# Altium PCB Calc_V1.PcbDoc (part 1 of 3)
Units mil, origin at the board's own origin, x right, y up, seen from the top; angles counter-clockwise.
Board outline 3937.01 x 3935.37 mil, 2 copper layers (Top Layer, Bottom Layer); 39 components, 45 nets, 1230 pads, 607 vias.
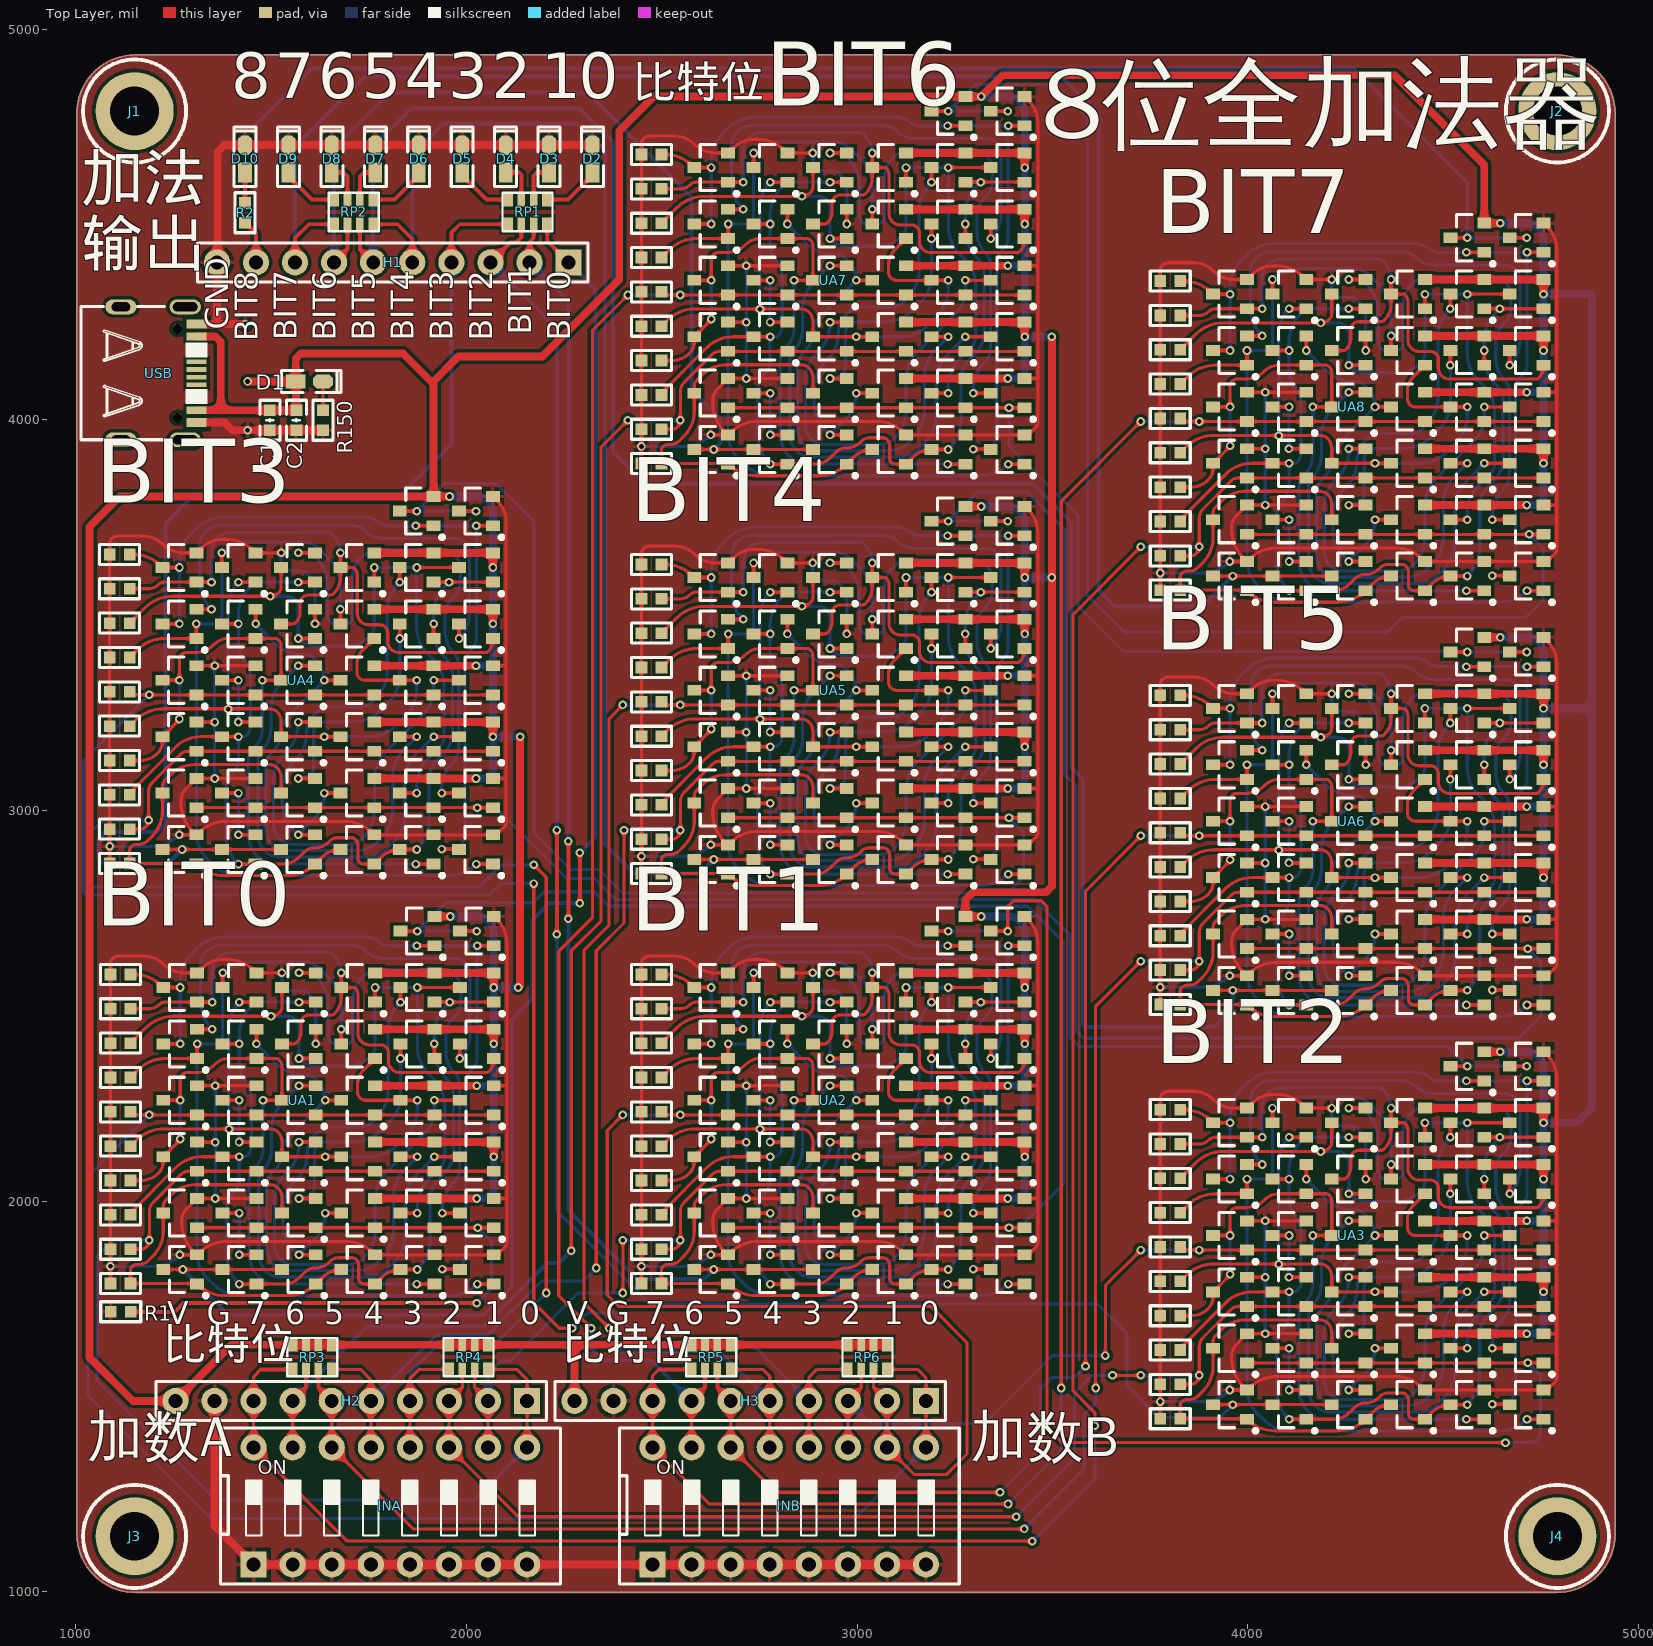
[diagram p0: Top Layer view]
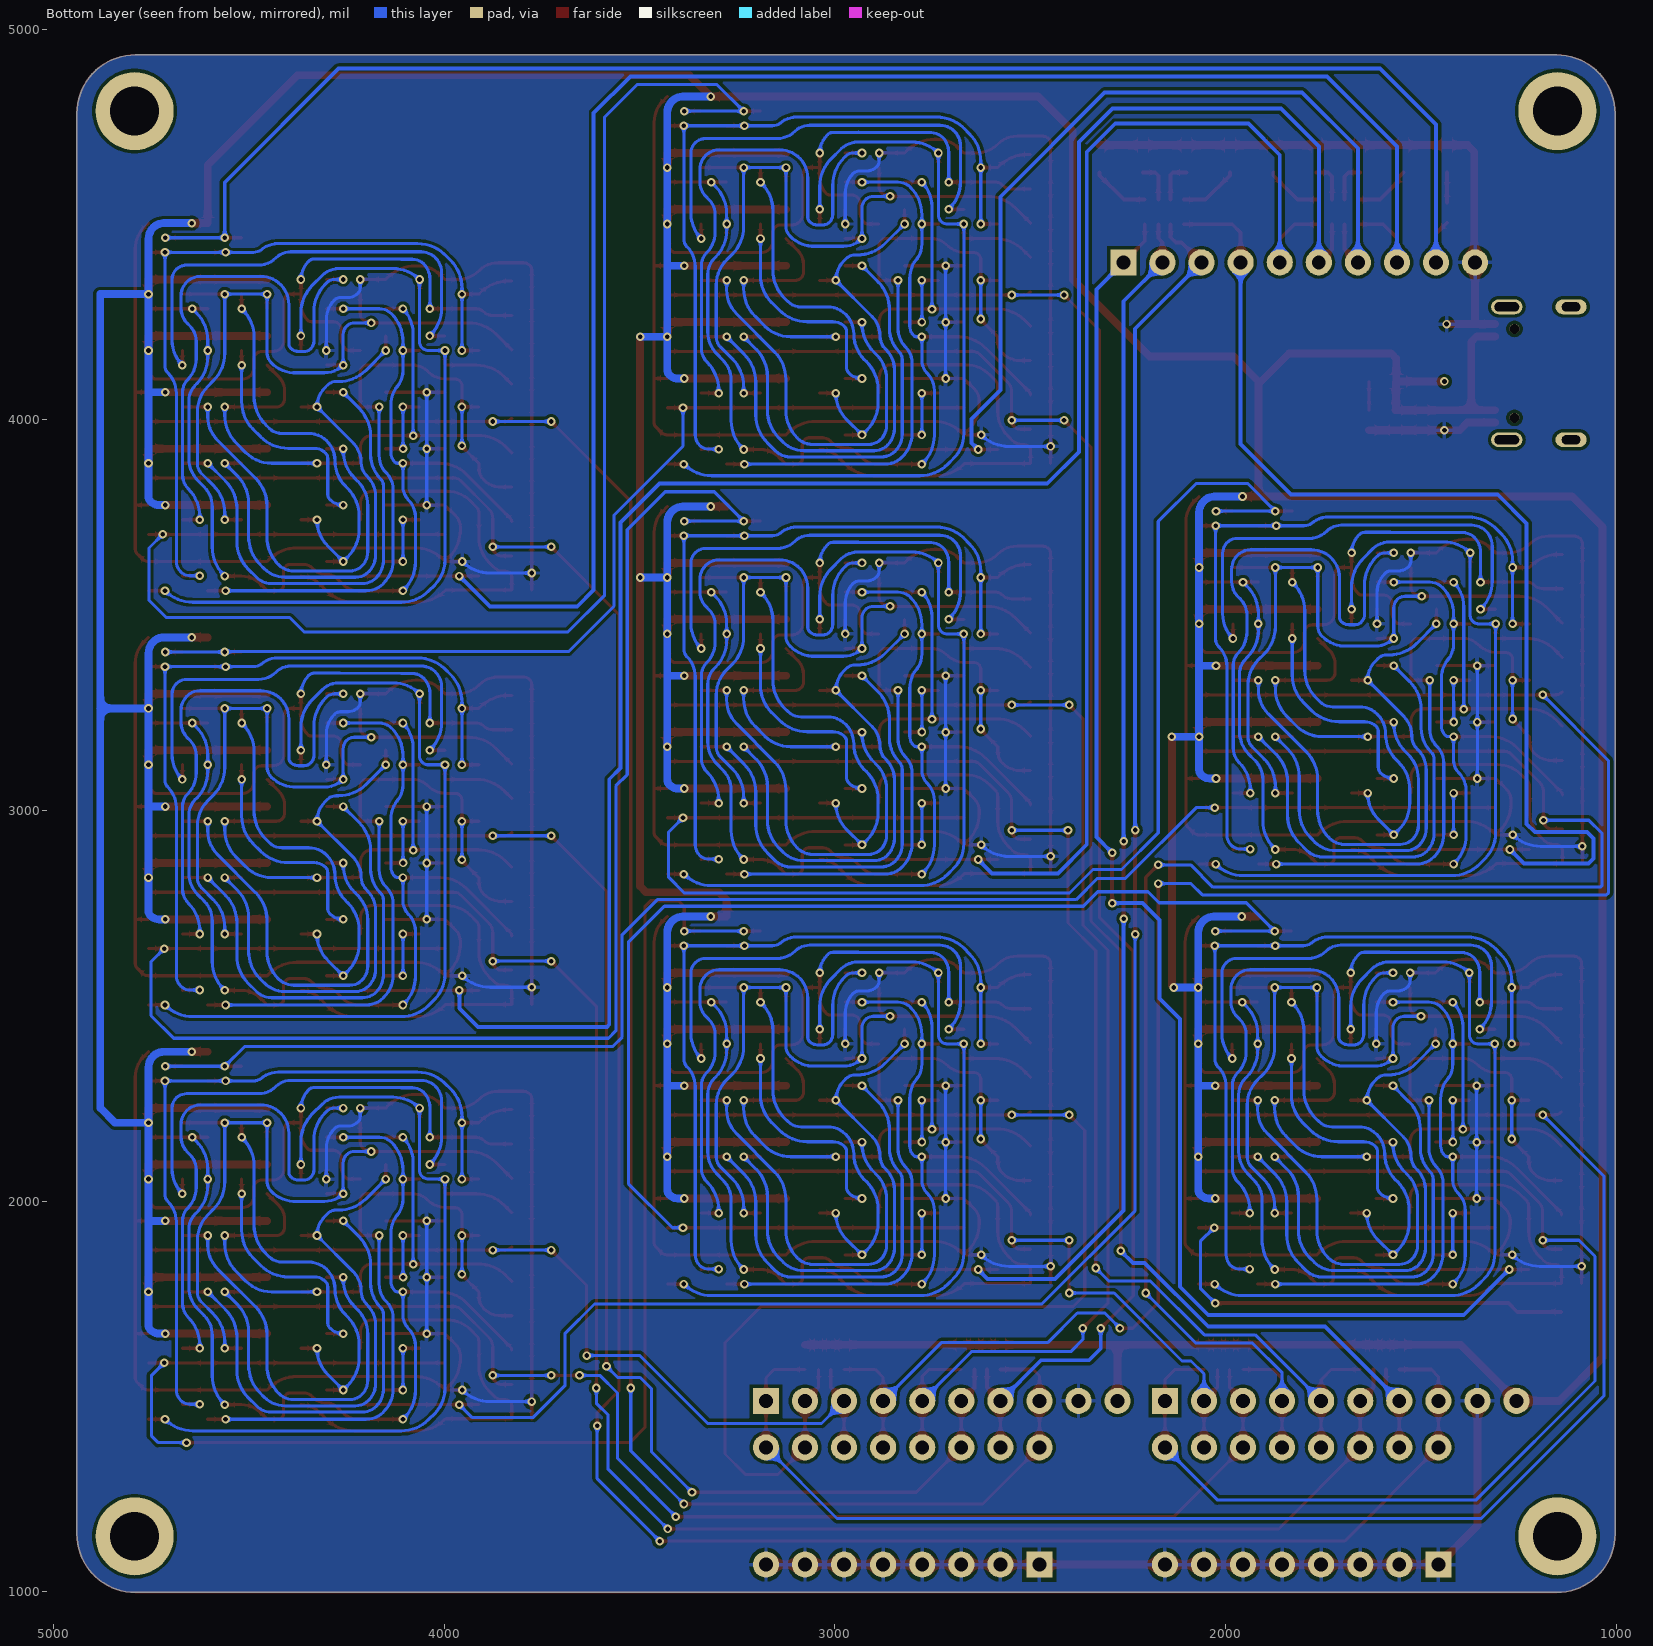
[diagram p1: Bottom Layer view, seen from below]

## Layer stack, top to bottom
Top Solder: solder mask 0.4, Solder Resist, Dk 3.5
Top Layer: signal copper 1.4
Dielectric 1: dielectric 12.6, FR-4, Dk 4.8
Bottom Layer: signal copper 1.4
Bottom Solder: solder mask 0.4, Solder Resist, Dk 3.5

## Board outline
1002.63,1148.63 1002.63,4784 cw(c1152.63,4784) 1152.63,4934 4789.64,4934 cw(c4789.64,4784) 4939.64,4784 4939.64,1148.63 cw(c4789.64,1148.63) 4789.64,998.63 1152.63,998.63 cw(c1152.63,1148.63)

## Design rules (kind name [scope] priority, off if disabled: settings)
Clearance [All] p1: gap=8 ignorepadtopadclearanceinfootprint=FALSE except(0: Arc-Hole Track-Hole SMDPad-Hole THPad-Hole Via-Hole Fill-Hole Poly-Hole Region-Hole Text-Hole)
PolygonConnect [All] p1: connectstyle=Relief reliefconductorwidth=10 reliefentries=4 polygonreliefangle="90 Angle" airgapwidth=10
RoutingVias [All] p1: holewidth=12 width=22 viastyle="Through Hole" minholewidth=12 minwidth=22 maxholewidth=200 maxwidth=500
SolderMaskExpansion [All] p1: expansion=4 istentingtop=FALSE
Width [All] p1: maxlimit=500 minlimit=6 preferedwidth=10 minimp=50.000000 maximp=50.000000 favimp=50.000000
30 further rules are at their usual default settings.

## Components (designator, comment, footprint, x,y, rotation, side; value= is the part's Value field where it differs from the comment)
C1 "2.2uF/50V" "C 0603_L" 1496.48,3998.92 r90 top
C2 "2.2uF/50V" "C 0603_L" 1564.48,3998.84 r90 top
D1 "RED" "LED 0603B" 1597.57,4098 r0 top
D2 "RED" "LED 0603B" 2322.42,4668 r90 top
D3 "RED" "LED 0603B" 2211.28,4668 r90 top
D4 "RED" "LED 0603B" 2100.13,4668 r90 top
D5 "RED" "LED 0603B" 1988.99,4668 r90 top
D6 "RED" "LED 0603B" 1877.84,4668 r90 top
D7 "RED" "LED 0603B" 1766.69,4668 r90 top
D8 "RED" "LED 0603B" 1655.55,4668 r90 top
D9 "RED" "LED 0603B" 1544.4,4668 r90 top
D10 "RED" "LED 0603B" 1433.26,4668 r90 top
H1 "XH2.54" HDR2.54-LI-10P 1811.02,4403 r180 top
H2 "XH2.54" HDR2.54-LI-10P 1705,1489 r180 top
H3 "XH2.54" HDR2.54-LI-10P 2726,1489 r180 top
INA "CSW-8P" "CSW DIP-8P" 1805,1220 r0 top
INB "CSW-8P" "CSW DIP-8P" 2826,1220 r0 top
J1 "Socket" M3 1150.27,4790.3 r0 top
J2 "Socket" M3 4792,4790.3 r0 top
J3 "Socket" M3 1150.27,1142.33 r0 top
J4 "Socket" M3 4792,1142.33 r0 top
R1 "1K" "R 0603_L" 1115,1717 r0 top
R2 "1K" "R 0603_L" 1433,4530 r90 top
R150 "1K" "R 0603_L" 1632.58,3998.83 r270 top
RP1 "1K" P_pack 2156,4531.97 r270 top
RP2 "1K" P_pack 1711,4531.97 r270 top
RP3 "1K" P_pack 1605,1601 r90 top
RP4 "1K" P_pack 2004.98,1601 r90 top
RP5 "1K" P_pack 2626,1601 r90 top
RP6 "1K" P_pack 3026,1601 r90 top
UA1 "OneBitAdder" OneBitAdder#1 1596.08,2227.16 r0 top locked
UA2 "OneBitAdder" OneBitAdder#2 2955.08,2227.16 r0 top locked
UA3 "OneBitAdder" OneBitAdder#3 4283.1,1881.16 r0 top locked
UA4 "OneBitAdder" OneBitAdder#4 1594.1,3302.16 r0 top locked
UA5 "OneBitAdder" OneBitAdder#4 2955.08,3276.46 r0 top locked
UA6 "OneBitAdder" OneBitAdder#5 4283.1,2941.49 r0 top locked
UA7 "OneBitAdder" OneBitAdder#6 2955.08,4325.76 r0 top locked
UA8 "OneBitAdder" OneBitAdder#5 4283.1,4001.83 r0 top locked
USB "USB TypeC" "USB Type-C" 1212.24,4119 r270 top

## Footprints (in the part's own frame and the unit in brackets; to place one, negate y for a bottom-side part, rotate by r counter-clockwise, add the part's x,y. Pads: shape width x height; smd on the part's side, far side on the other; paste and mask are expansions set on the pad)
"C 0603_L" [mil] "无极性贴片电容"
  rect 30x30 smd: 1(-25.59,0) 2(25.59,0)
  silkscreen extent -51,-26 51,26, body extent -31,-16 31,16, height 32
"CSW DIP-8P" [mm] "21.9*9.9*7mm"
  rect 1.7x1.7 hole 0.9: 1(-8.89,-3.81)
  round 1.7 hole 0.9: 2(-6.35,-3.81) 3(-3.81,-3.81) 4(-1.27,-3.81) 5(1.27,-3.81) 6(3.81,-3.81) 7(6.35,-3.81) 8(8.89,-3.81) 9(8.89,3.81) 10(6.35,3.81) 11(3.81,3.81) 12(1.27,3.81) 13(-1.27,3.81) 14(-3.81,3.81) 15(-6.35,3.81) 16(-8.89,3.81)
  silkscreen extent -11.05,-5.08 11.05,5.08, body extent -10.94,-4.95 10.94,4.95, height 6.65
HDR2.54-LI-10P [mm] "排针，10脚"
  rect 1.7x1.7 hole 0.9: 1(-11.43,0)
  round 1.7 hole 0.9: 2(-8.89,0) 3(-6.35,0) 4(-3.81,0) 5(-1.27,0) 6(1.27,0) 7(3.81,0) 8(6.35,0) 9(8.89,0) 10(11.43,0)
  silkscreen extent -12.7,-1.27 12.7,1.27, body extent -12.7,-1.27 12.7,1.27, height 8.5
"LED 0603B" [mil] "蓝色0603LED"
  rect 50x35 smd: 1(-35,0.26)
  oct 50x35 smd: 2(35,0.26)
  silkscreen extent -71,-28 81,28, body extent -31,-16 32,16, height 24
M3 [mil]
  round 200 hole 125: 1(0,0)
  silkscreen extent -132,-132 132,132, body extent -110,-110 110,110, height 96
OneBitAdder#1 [mm]
  rect 0.762x0.762 smd: 0(-12.893,2.275) 0(-12.893,4.507) 0(-12.893,-11.121) 0(-12.893,-8.888) 0(-12.893,-6.656) 0(-12.893,-4.423) 0(-12.893,-2.191) 0(-12.893,0.042) 0(-12.893,6.74) 0(-12.893,8.972) 0(-11.593,4.507) 0(-11.593,2.275) 0(-11.593,-11.121) 0(-11.593,-8.888) 0(-11.593,-6.656) 0(-11.593,-4.423) 0(-11.593,-2.191) 0(-11.593,0.042) 0(-11.593,6.74) 0(-11.593,8.972)
  rect 0.9x0.7 smd: 0(-9.456,-6.54) 0(-9.456,-2.874) 0(-9.456,0.792) 0(-9.456,4.458) 0(-9.456,8.124) 0(-7.256,-7.49) 0(-7.256,-5.59) 0(-7.256,-3.824) 0(-7.256,-1.924) 0(-7.256,-0.158) 0(-7.256,1.742) 0(-7.256,-11.156) 0(-7.256,-9.256) 0(-7.256,3.508) 0(-7.256,5.408) 0(-7.256,7.174) 0(-7.256,9.074) 0(-5.601,-6.54) 0(-5.601,0.792) 0(-5.601,8.124) 0(-5.601,-10.206) 0(-5.601,-2.874) 0(-5.601,4.458) 0(-3.401,-7.49) 0(-3.401,-5.59) 0(-3.401,-0.158) 0(-3.401,1.742) 0(-3.401,7.174) 0(-3.401,9.074) 0(-3.401,-11.156) 0(-3.401,-9.256) 0(-3.401,-3.824) 0(-3.401,-1.924) 0(-3.401,3.508) 0(-3.401,5.408) 0(-1.745,-6.54) 0(-1.745,0.792) 0(-1.745,8.124) 0(-1.745,-10.206) 0(-1.745,-2.874) 0(-1.745,4.458) 0(0.455,-7.49) 0(0.455,-5.59) 0(0.455,-0.158) 0(0.455,1.742) 0(0.455,7.174) 0(0.455,9.074) 0(0.455,-11.156) 0(0.455,-9.256) 0(0.455,-3.824) 0(0.455,-1.924) 0(0.455,3.508) 0(0.455,5.408) 0(2.111,0.792) 0(2.111,8.124) 0(2.111,-10.206) 0(2.111,-6.54) 0(2.111,-2.874) 0(2.111,4.458) 0(4.311,-0.158) 0(4.311,1.742) 0(4.311,7.174) 0(4.311,9.074) 0(4.311,-11.156) 0(4.311,-9.256) 0(4.311,-7.49) 0(4.311,-5.59) 0(4.311,-3.824) 0(4.311,-1.924) 0(4.311,3.508) 0(4.311,5.408) 0(5.967,-2.874) 0(5.967,4.458) 0(5.967,-10.206) 0(5.967,-6.54) 0(5.967,0.792) 0(5.967,8.124) 0(8.167,-3.824) 0(8.167,-1.924) 0(8.167,3.508) 0(8.167,5.408) 0(8.167,-11.156) 0(8.167,-9.256) 0(8.167,-7.49) 0(8.167,-5.59) 0(8.167,-0.158) 0(8.167,1.742) 0(8.167,7.174) 0(8.167,9.074) 0(8.167,10.84) 0(9.822,-10.206) 0(9.822,-6.54) 0(9.822,-2.874) 0(9.822,0.792) 0(9.822,4.458) 0(9.822,8.124) 0(9.822,11.79) 0(12.022,-11.156) 0(12.022,-9.256) 0(12.022,-5.59) 0(12.022,-1.924) 0(12.022,1.742) 0(12.022,3.508) 0(12.022,5.408) 0(12.022,7.174) 0(12.022,9.074) 0(12.022,10.84) 1(8.167,12.74) 2(12.022,12.74) 3(12.022,-3.824) 4(12.022,-0.158) 5(12.022,-7.49) 6(-9.456,-10.206) 7(5.967,11.79)
  Top Layer lines w0.203: -12.893,-11.121 -12.893,-10.005 -12.893,-8.888 -12.893,-6.656 -12.893,-4.423 -12.893,-2.191 -12.893,0.042 -12.893,6.74 -12.893,8.972 -12.893,9.705 cw(c-12.494,9.705) -12.776,9.987 cw(c-12.347,9.557) -12.347,10.164 -10.7,10.164 cw(c-10.7,8.43) -9.474,9.656 ccw(c-8.068,11.063) -8.068,9.074 -7.256,9.074 -6.975,9.355 cw(c-5.512,7.891) -5.512,9.961 -5.34,9.961 cw(c-5.34,7.421) -3.544,9.217 -3.401,9.074 -1.745,9.074 ; -11.593,-8.888 -10.915,-8.888 ccw(c-10.915,-8.359) -10.541,-8.733 ccw(c-10.97,-8.304) -10.363,-8.304 -10.363,-6.447 cw(c-9.504,-6.447) -10.112,-5.84 -8.28,-4.009 ; -11.593,-6.656 cw(c-11.298,-6.656) -11.507,-6.448 ; -11.593,-4.423 -10.902,-4.423 ccw(c-10.902,-2.835) -9.779,-3.958 ccw(c-10.557,-3.18) -9.456,-3.18 -9.456,-2.874 -8.393,-1.811 ; -11.593,-2.191 -11.208,-1.806 cw(c-9.412,-3.602) -9.412,-1.062 -2.497,-1.062 cw(c-2.497,-1.756) -2.006,-1.266 cw(c-2.638,-1.897) -1.745,-1.897 -1.745,-2.874 1.067,-2.874 2.111,-2.874 ; -11.593,0.042 ccw(c-11.109,0.525) -11.109,-0.158 -10.363,-0.158 -7.256,-0.158 -3.401,-0.158 0.455,-0.158 4.311,-0.158 8.167,-0.158 12.022,-0.158 ; -11.593,2.275 -11.103,2.764 cw(c-9.307,0.968) -9.307,3.508 -7.256,3.508 -7.256,4.458 ; -11.593,4.507 -10.591,5.509 cw(c-8.795,3.713) -8.795,6.253 -2.457,6.253 ccw(c-2.457,7.033) -1.905,6.481 ccw(c-2.291,6.867) -1.745,6.867 -1.745,8.124 ; -11.593,6.74 -10.356,6.74 ccw(c-10.356,7.592) -9.753,6.989 cw(c-9.308,6.544) -9.308,7.174 -7.256,7.174 -6.274,7.174 ; -11.593,8.972 -11.357,8.972 cw(c-11.357,6.432) -9.561,8.228 -9.456,8.124 -8.356,8.124 ; -9.456,-10.206 -8.186,-10.206 -5.601,-10.206 -1.745,-10.206 ; -9.456,0.792 -8.356,0.792 -8.356,2.162 cw(c-7.923,2.162) -8.229,2.468 cw(c-7.923,2.162) -7.923,2.595 -7.383,2.595 ccw(c-7.383,4.416) -6.096,3.129 cw(c-5.18,2.213) -5.18,3.508 -3.401,3.508 -2.146,3.508 cw(c-2.146,3.167) -1.905,3.408 cw(c-2.291,3.022) -1.745,3.022 -1.745,0.792 -2.972,0.792 ; -9.456,4.458 -8.356,4.458 ; -8.377,-9.256 -7.256,-9.256 ; -8.356,-1.723 cw(c-8.481,-1.723) -8.393,-1.811 ; -7.256,-7.49 -3.401,-7.49 0.455,-7.49 8.167,-7.49 10.996,-7.49 12.022,-7.49 ; -7.256,-1.924 -7.255,-1.926 -6.07,-1.926 ; -7.256,1.742 -6.07,1.742 -3.401,1.742 ; -7.256,5.408 -6.274,5.408 ; -5.601,-6.54 -4.521,-6.54 ; -5.601,0.792 -4.521,0.792 ; -5.601,4.458 -4.521,4.458 ; -5.601,8.124 -5.601,9.074 ; -4.521,-11.156 -3.401,-11.156 -1.651,-11.156 ccw(c-1.651,-9.647) -0.584,-10.714 -0.244,-10.374 cw(c0.407,-11.025) 0.407,-10.105 0.427,-10.105 ccw(c0.427,-8.804) 1.346,-9.724 ; -4.521,-9.256 -3.401,-9.256 ; -4.521,-2.874 -5.601,-2.874 -6.939,-2.874 ccw(c-6.939,-5.274) -8.636,-3.577 -11.506,-6.448 ; -4.521,7.174 -3.401,7.174 ; -3.401,-5.59 -6.07,-5.59 -7.256,-5.59 -7.96,-6.294 ccw(c-7.247,-7.006) -8.255,-7.006 -8.255,-7.206 ccw(c-5.715,-7.206) -7.511,-9.002 -7.256,-9.256 ; -3.401,-1.924 -4.488,-1.924 cw(c-4.488,-1.721) -4.53,-1.92 ; -3.401,4.458 -3.401,5.408 ; -1.745,-6.54 -1.745,-5.529 ccw(c-2.638,-5.529) -2.006,-4.898 ccw(c-2.497,-5.388) -2.497,-4.695 -7.366,-4.695 ccw(c-7.366,-6.902) -8.927,-5.341 -9.296,-5.711 ccw(c-8.909,-6.097) -9.456,-6.097 -9.456,-6.54 -9.456,-7.706 cw(c-11.771,-7.706) -10.134,-9.343 -10.416,-9.625 cw(c-11.023,-9.018) -11.023,-9.876 -11.138,-9.876 ccw(c-11.138,-10.397) -11.506,-10.029 ccw(c-11.297,-10.238) -11.593,-10.238 -11.593,-11.121 -7.342,-11.121 cw(c-7.342,-11.242) -7.257,-11.156 ; -1.745,4.458 -1.012,4.458 ccw(c-1.012,4.776) -0.787,4.551 ccw(c-1.462,5.225) -0.508,5.225 -0.508,5.809 cw(c0.013,5.809) -0.355,6.177 cw(c0.013,5.809) 0.013,6.329 1.431,6.329 ccw(c1.431,6.676) 1.677,6.431 ccw(c0.628,7.479) 2.111,7.479 2.111,8.124 ; -0.635,-9.256 0.455,-9.256 ; -0.635,-5.59 0.455,-5.59 ; -0.635,-1.924 0.455,-1.924 ; -0.635,1.742 0.455,1.742 ; -0.635,3.508 0.455,3.508 ; -0.635,7.174 0.455,7.174 ; -0.635,9.074 0.455,9.074 ; 0.455,4.458 0.455,5.408 ; 1.067,-6.54 2.111,-6.54 ; 1.067,0.792 2.111,0.792 ; 2.111,-10.206 ccw(c2.111,-11.91) 0.906,-10.705 0.455,-11.156 0.447,-11.164 cw(c-1.349,-9.368) -1.349,-11.908 -5.452,-11.908 cw(c-5.452,-9.368) -7.249,-11.164 -7.256,-11.156 ; 2.111,4.458 2.111,5.408 ; 2.111,9.074 2.111,8.124 ; 4.311,3.508 3.556,2.753 ccw(c4.477,1.833) 3.175,1.833 3.175,1.312 ccw(c3.696,1.312) 3.328,0.944 ccw(c3.696,1.312) 3.696,0.792 5.967,0.792 7.061,0.792 ; 4.311,7.174 4.311,8.124 ; 5.967,-6.54 7.061,-6.54 ; 5.967,-2.874 7.061,-2.874 ; 5.967,3.508 5.967,4.458 ; 5.967,7.174 5.967,8.124 ; 5.967,11.79 7.061,11.79 ; 7.011,-11.156 8.167,-11.156 ; 7.011,10.84 8.167,10.84 ; 7.061,-10.206 5.967,-10.206 ccw(c5.967,-11.91) 4.762,-10.705 4.311,-11.156 3.659,-11.156 cw(c3.659,-10.688) 3.328,-11.019 cw(c3.512,-10.835) 3.251,-10.835 3.251,-9.975 ccw(c2.644,-9.975) 3.074,-9.546 ccw(c2.828,-9.791) 2.828,-9.444 1.905,-9.444 ccw(c1.905,-10.119) 1.428,-9.642 1.346,-9.724 ; 7.061,8.124 9.822,8.124 ; 8.167,-2.874 9.822,-2.874 ; 8.167,0.792 9.822,0.792 ; 8.167,3.508 8.167,4.458 ; 8.167,7.174 9.17,7.174 12.022,7.174 ; 8.687,-10.181 9.761,-10.181 cw(c9.761,-10.268) 9.822,-10.206 ; 8.687,-6.54 9.822,-6.54 ; 9.822,3.508 9.822,4.458 ; 9.822,11.79 10.922,11.79 ; 10.948,-11.156 12.022,-11.156 ; 10.948,10.84 12.022,10.84 ; 12.022,-5.59 12.871,-5.59 12.878,-5.584 ; 12.022,-3.824 4.311,-3.824 0.455,-3.824 -3.401,-3.824 -7.256,-3.824 ; 12.022,1.742 12.841,1.742 ccw(c12.841,1.794) 12.878,1.757 ; 12.022,3.508 12.022,3.426 cw(c10.955,3.426) 11.71,2.671 cw(c11.526,2.855) 11.526,2.595 5.937,2.595 cw(c5.937,3.376) 5.385,2.824 cw(c5.876,3.314) 5.182,3.314 5.182,3.878 ccw(c4.662,3.878) 5.029,4.246 ccw(c4.662,3.878) 4.662,4.399 3.92,4.399 cw(c3.92,5.092) 3.429,4.602 cw(c3.981,5.154) 3.201,5.154 3.201,7.652 ccw(c2.594,7.652) 3.023,8.082 ccw(c2.921,7.979) 2.921,8.124 2.111,8.124 ; 12.022,12.74 12.309,12.454 cw(c10.934,11.079) 12.878,11.079 12.878,1.757 ; -11.506,-6.448 ccw(c-11.298,-6.656) -11.507,-6.448 ; -11.507,-6.448 -11.506,-6.448 ; -8.393,-1.811 ccw(c-8.481,-1.723) -8.393,-1.811 ; -8.393,-1.811 -8.393,-1.811 ; -8.28,-4.009 ccw(c-7.835,-4.454) -8.28,-4.009 ; -8.28,-4.009 cw(c-7.835,-4.454) -7.835,-3.824 -7.256,-3.824 ; -8.28,-4.009 -8.28,-4.009 ; -7.256,-11.156 ccw(c-7.342,-11.242) -7.257,-11.156 ; -7.257,-11.156 -7.256,-11.156 ; -7.256,-9.256 -7.122,-9.122 cw(c-5.325,-10.918) -5.325,-8.378 2.38,-8.378 cw(c2.38,-10.918) 4.176,-9.122 4.311,-9.256 8.167,-9.256 12.022,-9.256 ccw(c12.022,-8.699) 12.417,-9.093 12.776,-8.733 ccw(c12.531,-8.488) 12.878,-8.488 12.878,-5.584 ; -7.256,-3.824 -7.256,-3.824 ; -4.53,-1.92 -4.53,-1.92 ; 1.346,-9.724 ccw(c0.427,-8.804) 1.346,-9.724 ; 1.346,-9.724 1.346,-9.724 ; 12.878,-5.584 12.878,1.757